# Allegro board 038RT-9068CJK8E-A100_0921_1.brd (continued)
## Routing (per net, layer and track width the routed paths; a pad name or vN(x,y) marks a point on that pad's centre or on a via; arc(x,y) is an arc through that point) (continued)
v2(457.06,226.06) v2(457.06,220.98) v2(457.06,215.9) v2(457.06,210.82) v2(457.06,205.74) v2(457.54,29.72) v2(457.54,27.5) v2(458.4,424.87) v2(459.13,36.19) v2(459.13,34.93) v2(459.43,445.33) v2(459.58,31.93) v2(459.58,31.17) v2(459.76,431.99) v2(459.78,430.58) v2(460.11,428.68) v2(460.37,425.74) v2(460.9,437.95) v2(461.45,429.56) v2(461.46,445.33) v2(462.14,287.02) v2(462.14,281.94) v2(462.14,276.86) v2(462.14,271.78) v2(462.14,266.7) v2(462.14,241.3) v2(462.14,236.22) v2(462.14,231.14) v2(462.14,226.06) v2(462.14,220.98) v2(462.14,215.9) v2(462.14,210.82) v2(462.14,205.74) v2(464.28,49.71) v2(467.22,287.02) v2(467.22,281.94) v2(467.22,276.86) v2(467.22,271.78) v2(467.22,266.7) v2(467.22,241.3) v2(467.22,236.22) v2(467.22,231.14) v2(467.22,226.06) v2(467.22,220.98) v2(467.22,215.9) v2(467.22,210.82) v2(467.22,205.74) v2(467.31,46.61) v2(467.3,30.84) v2(467.86,38.22) v2(468.39,50.43) v2(468.64,47.5) v2(468.97,45.59) v2(468.99,44.18) v2(469.17,445.01) v2(469.17,444.25) v2(469.33,30.84) v2(469.63,441.25) v2(469.63,439.98) v2(470.36,51.31) v2(471.21,448.68) v2(471.21,446.46) v2(471.68,47.5) v2(472.3,287.02) v2(472.3,281.94) v2(472.3,271.78) v2(472.3,266.7) v2(472.3,241.3) v2(472.3,236.22) v2(472.3,231.14) v2(472.3,226.06) v2(472.3,220.98) v2(472.45,48.63) v2(472.64,38.3) v2(473.78,38.3) v2(474.01,430.83) v2(474.51,36.57) v2(474.51,34.54) v2(476.8,44.59) v2(476.8,39.2) v2(477.38,287.02) v2(477.38,256.54) v2(477.38,241.3) v2(477.38,236.22) v2(477.38,231.14) v2(477.38,226.06) v2(477.38,220.98) v2(477.38,210.82) v2(477.38,205.74) v2(477.38,200.66) v2(478.27,44.59) v2(479.74,44.59) v2(480.72,439.29) v2(480.72,436.43) v2(480.72,435.67) v2(481.86,241.74) v2(482.14,430.83) v2(482.46,287.02) v2(482.46,281.94) v2(482.46,256.54) v2(482.46,236.22) v2(482.46,210.82) v2(482.46,205.74) v2(482.46,200.66) v2(482.9,430.83) v2(487.54,287.02) v2(487.54,281.94) v2(487.54,256.54) v2(487.54,236.22) v2(487.54,210.82) v2(490.2,56.41) v2(490.2,53.14) v2(490.87,241.74) v2(491.67,456.08) v2(492.48,241.74) v2(492.62,287.02) v2(492.62,281.94) v2(492.62,256.54) v2(492.62,236.22) v2(492.62,210.82) v2(492.97,41.53) v2(492.97,40.26) v2(492.97,31.37) v2(492.97,25.65) v2(494.24,41.53) v2(494.24,40.26) v2(494.24,31.37) v2(495.21,428.41) v2(495.51,41.53) v2(495.51,40.26) v2(495.51,31.37) v2(497.7,287.02) v2(497.7,281.94) v2(497.7,256.54) v2(497.7,236.22) v2(497.7,210.82) v2(498.05,41.53) v2(498.05,40.26) v2(498.05,31.37) v2(498.05,25.65) v2(499.32,41.53) v2(499.32,40.26) v2(499.32,31.37) v2(500.59,41.53) v2(500.59,40.26) v2(500.59,31.37) v2(500.96,442.95) v2(500.96,440.44) v2(501.49,241.74) v2(502.78,287.02) v2(502.78,281.94) v2(502.78,256.54) v2(502.78,236.22) v2(502.78,210.82) v2(503.05,241.74) v2(503.13,41.53) v2(503.13,40.26) v2(503.13,31.37) v2(503.13,25.65) v2(504.4,41.53) v2(504.4,40.26) v2(504.4,31.37) v2(505.67,41.53) v2(505.67,40.26) v2(505.67,31.37) v2(507.36,454.28) v2(507.36,453.01) v2(507.36,451.74) v2(507.36,449.2) v2(507.36,447.93) v2(507.36,446.66) v2(507.86,256.54) v2(507.86,236.22) v2(507.86,210.82) v2(508.11,53.97) v2(508.11,47.62) v2(508.21,41.53) v2(508.21,40.26) v2(508.21,31.37) v2(508.21,25.65) v2(508.38,444.37) v2(508.38,443.1) v2(508.38,441.83) v2(508.38,439.8) v2(508.38,438.53) v2(508.38,437.26) v2(508.63,454.28) v2(508.63,453.01) v2(508.63,451.74) v2(508.63,449.2) v2(508.63,447.93) v2(508.63,446.66) v2(509.38,53.97) v2(509.38,47.62) v2(509.48,41.53) v2(509.48,40.26) v2(509.48,31.37) v2(510.65,53.97) v2(510.65,47.62) v2(510.75,41.53) v2(510.75,40.26) v2(510.75,31.37) v2(512.06,241.74) v2(512.44,447.6) v2(512.44,438.71) v2(512.44,437.44) v2(512.44,428.55) v2(512.44,419.66) v2(512.44,418.39) v2(512.94,256.54) v2(512.94,251.46) v2(512.94,246.38) v2(512.94,236.22) v2(512.94,210.82) v2(513.29,57.4) v2(513.29,56.13) v2(513.29,47.24) v2(513.29,41.53) v2(513.29,40.26) v2(513.29,31.37) v2(513.29,25.65) v2(513.71,447.6) v2(513.71,438.71) v2(513.71,437.44) v2(513.71,428.55) v2(513.71,419.66) v2(513.71,418.39) v2(514.56,57.4) v2(514.56,56.13) v2(514.56,47.24) v2(514.56,41.53) v2(514.56,40.26) v2(514.56,31.37) v2(514.98,453.31) v2(514.98,447.6) v2(514.98,438.71) v2(514.98,437.44) v2(514.98,434.26) v2(514.98,428.55) v2(514.98,419.66) v2(514.98,418.39) v2(515.83,57.4) v2(515.83,56.13) v2(515.83,47.24) v2(515.83,41.53) v2(515.83,40.26) v2(515.83,31.37) v2(518.02,342.9) v2(518.02,337.82) v2(518.02,302.26) v2(518.02,297.18) v2(518.02,292.1) v2(518.02,287.02) v2(518.02,281.94) v2(518.02,256.54) v2(518.02,251.46) v2(518.02,246.38) v2(518.02,241.3) v2(518.02,236.22) v2(518.02,210.82) v2(518.02,205.74) v2(518.02,200.66) v2(518.02,195.58) v2(518.02,185.42) v2(518.16,447.6) v2(518.16,438.71) v2(518.16,437.44) v2(518.16,428.55) v2(518.16,419.66) v2(518.16,418.39) v2(518.37,57.4) v2(518.37,56.13) v2(518.37,47.24) v2(518.37,41.53) v2(518.37,40.26) v2(518.37,31.37) v2(518.37,25.65) v2(519.43,447.6) v2(519.43,438.71) v2(519.43,437.44) v2(519.43,428.55) v2(519.43,419.66) v2(519.43,418.39) v2(519.64,57.4) v2(519.64,56.13) v2(519.64,47.24) v2(519.64,41.53) v2(519.64,40.26) v2(519.64,31.37) v2(520.7,453.31) v2(520.7,447.6) v2(520.7,438.71) v2(520.7,437.44) v2(520.7,434.26) v2(520.7,428.55) v2(520.7,419.66) v2(520.7,418.39) v2(520.91,57.4) v2(520.91,56.13) v2(520.91,47.24) v2(520.91,41.53) v2(520.91,40.26) v2(520.91,31.37) v2(521.83,284.67) v2(523.1,342.9) v2(523.1,337.82) v2(523.1,302.26) v2(523.1,297.18) v2(523.1,292.1) v2(523.1,284.67) v2(523.1,256.54) v2(523.1,251.46) v2(523.1,246.38) v2(523.1,241.3) v2(523.1,236.22) v2(523.1,210.82) v2(523.1,205.74) v2(523.1,200.66) v2(523.1,195.58) v2(523.1,185.42) v2(525.09,447.57) v2(525.09,446.3) v2(525.09,445.03) v2(525.09,438.04) v2(525.09,436.77) v2(525.09,435.5) v2(528.18,342.9) v2(528.18,337.82) v2(528.18,302.26) v2(528.18,297.18) v2(528.18,292.1) v2(528.18,283.66) v2(528.18,281.94) v2(528.18,261.62) v2(528.18,256.54) v2(528.18,251.46) v2(528.18,246.38) v2(528.18,215.9) v2(528.18,210.82) v2(528.9,441.22) v2(531.99,283.66) v2(532.96,39.8) v2(533.26,342.9) v2(533.26,337.82) v2(533.26,302.26) v2(533.26,297.18) v2(533.26,292.1) v2(533.26,283.66) v2(533.26,281.94) v2(533.26,261.62) v2(533.26,256.54) v2(533.26,251.46) v2(533.26,246.38) v2(533.26,215.9) v2(533.26,210.82) v2(534.53,283.66) v2(535.8,283.66) v2(537.07,283.66) v2(538.34,342.9) v2(538.34,337.82) v2(538.34,302.26) v2(538.34,297.18) v2(538.34,292.1) v2(538.34,283.66) v2(538.34,281.94) v2(538.34,261.62) v2(538.34,256.54) v2(538.34,251.46) v2(538.34,246.38) v2(538.34,215.9) v2(538.34,210.82) v2(539.61,287.07) v2(539.61,283.66) v2(543.42,342.9) v2(543.42,337.82) v2(543.42,302.26) v2(543.42,297.18) v2(543.42,292.1) v2(543.42,283.66) v2(543.42,281.94) v2(543.42,276.86) v2(543.42,271.78) v2(543.42,266.7) v2(543.42,261.62) v2(543.42,256.54) v2(543.42,251.46) v2(543.42,246.38) v2(543.42,226.06) v2(543.42,220.98) v2(543.42,215.9) v2(543.42,210.82) v2(543.42,205.74) v2(543.42,200.66) v2(543.42,195.58) v2(543.42,190.5) v2(543.42,185.42) v2(544.69,283.66) v2(546.99,439.84) v2(548.5,302.26) v2(548.5,297.18) v2(548.5,292.1) v2(548.5,283.66) v2(548.5,281.94) v2(548.5,226.06) v2(548.5,220.98) v2(548.5,215.9) v2(549.02,439.84) v2(549.16,24.31) v2(549.77,283.66) v2(551.04,283.66) v2(551.05,439.84) v2(552.31,283.66) v2(552.97,30.03) v2(552.97,28.76) v2(552.97,27.49) v2(552.97,20.5) v2(552.97,19.23) v2(552.97,17.96) v2(553.17,439.73) v2(553.58,322.58) v2(553.58,317.5) v2(553.58,312.42) v2(553.58,302.26) v2(553.58,297.18) v2(553.58,292.1) v2(553.58,283.66) v2(553.58,281.94) v2(553.58,226.06) v2(553.58,220.98) v2(553.58,215.9) v2(554.07,441.95) v2(554.85,283.66) v2(556.12,287.07) v2(556.12,284.67) v2(557.89,53.13) v2(558.66,321.94) v2(558.66,312.42) v2(558.66,302.26) v2(558.66,297.18) v2(558.66,284.67) v2(558.66,226.06) v2(558.66,220.98) v2(558.66,160.02) v2(558.66,149.86) v2(559.29,232.92) v2(559.36,289.1) v2(559.93,321.94) v2(559.93,312.42) v2(559.93,160.02) v2(559.93,149.86) v2(560.57,447.44) v2(560.56,232.92) v2(561.2,321.94) v2(561.2,312.42) v2(561.2,160.02) v2(561.2,149.86) v2(562.64,425.3) v2(563.11,447.44) v2(563.74,302.26) v2(563.74,297.18) v2(565.01,312.42) v2(565.01,306.07) v2(565.01,160.02) v2(565.01,156.21) v2(565.01,149.86) v2(565.27,443.96) v2(565.27,441.92) v2(565.27,439.89) v2(565.64,321.94) v2(565.64,231.92) v2(566.28,312.42) v2(566.28,160.02) v2(566.28,149.86) v2(566.54,443.96) v2(566.54,441.92) v2(566.54,439.89) v2(566.91,321.94) v2(567.55,316.23) v2(567.55,312.42) v2(567.55,266.06) v2(567.55,262.89) v2(567.55,237.18) v2(567.55,206.07) v2(567.55,202.89) v2(567.55,177.18) v2(567.55,166.37) v2(567.55,160.02) v2(567.55,149.86) v2(567.81,443.96) v2(567.81,441.92) v2(567.81,439.89) v2(568.05,53.13) v2(568.19,452.51) v2(568.18,321.94) v2(568.82,302.26) v2(568.82,297.18) v2(569.45,253.37) v2(569.45,231.92) v2(569.45,193.37) v2(570.41,451.88) v2(570.72,231.92) v2(571.36,312.42) v2(571.36,160.02) v2(571.99,322.58) v2(571.99,321.31) v2(571.99,231.92) v2(571.99,150.5) v2(571.99,149.22) v2(572.63,312.42) v2(572.63,160.02) v2(573.26,322.58) v2(573.26,321.31) v2(573.26,231.92) v2(573.26,150.5) v2(573.26,149.22) v2(573.69,288.72) v2(573.69,228.72) v2(573.67,42.68) v2(573.67,37.6) v2(573.9,312.42) v2(573.9,302.26) v2(573.9,297.18) v2(573.9,160.02) v2(574.09,453.47) v2(574.09,448.39) v2(574.07,420.01) v2(574.53,231.92) v2(575.8,231.92) v2(577.07,235.33) v2(577.07,231.92) v2(577.34,39.18) v2(577.71,312.42) v2(577.71,160.02) v2(578.34,322.58) v2(578.34,321.31) v2(578.34,150.5) v2(578.34,149.22) v2(578.98,312.42) v2(578.98,302.26) v2(578.98,297.18) v2(578.98,160.02) v2(579.61,322.58) v2(579.61,321.31) v2(579.61,150.5) v2(579.61,149.22) v2(579.57,38.55) v2(579.95,51.17) v2(579.95,49.14) v2(579.95,47.11) v2(580.25,312.42) v2(580.25,160.02) v2(580.88,231.92) v2(581.22,51.17) v2(581.22,49.14) v2(581.22,47.11) v2(582.15,231.92) v2(582.49,51.17) v2(582.49,49.14) v2(582.49,47.11) v2(583.65,35.06) v2(583.65,33.79) v2(584.06,312.42) v2(584.06,306.07) v2(584.06,302.26) v2(584.06,297.18) v2(584.06,160.02) v2(584.23,420.01) v2(584.69,322.58) v2(584.69,321.31) v2(584.69,150.5) v2(584.69,149.22) v2(584.65,43.63) v2(585.33,312.42) v2(585.33,160.02) v2(585.41,35.06) v2(585.41,33.79) v2(585.51,51.17) v2(585.51,47.11) v2(585.66,28.75) v2(585.96,322.58) v2(585.96,321.31) v2(585.96,231.92) v2(585.96,150.5) v2(585.96,149.22) v2(586.6,312.42) v2(586.6,166.37) v2(586.6,160.02) v2(586.78,51.17) v2(586.78,47.11) v2(587.23,231.92) v2(587.19,43.63) v2(587.17,35.06) v2(587.17,33.79) v2(587.5,237.18) v2(587.5,177.18) v2(587.69,28.75) v2(588.05,51.17) v2(588.05,47.11) v2(588.5,231.92) v2(589.14,414.02) v2(589.14,408.94) v2(589.14,403.86) v2(589.14,398.78) v2(589.14,393.7) v2(589.14,388.62) v2(589.14,383.54) v2(589.14,378.46) v2(589.14,373.38) v2(589.14,368.3) v2(589.14,363.22) v2(589.14,302.26) v2(589.14,297.18) v2(589.14,104.14) v2(589.14,99.06) v2(589.14,93.98) v2(589.14,88.9) v2(589.14,83.82) v2(589.14,78.74) v2(589.14,73.66) v2(589.14,68.58) v2(589.14,63.5) v2(589.14,58.42) v2(589.72,28.75) v2(589.77,231.92) v2(590.41,312.42) v2(590.41,160.02) v2(591.04,322.58) v2(591.04,321.31) v2(591.04,231.92) v2(591.04,150.5) v2(591.04,149.22) v2(591.68,312.42) v2(591.68,160.02) v2(592.31,322.58) v2(592.31,321.31) v2(592.31,231.92) v2(592.31,150.5) v2(592.31,149.22) v2(592.85,16.24) v2(592.95,312.42) v2(592.95,160.02) v2(593.58,235.33) v2(593.58,232.92) v2(593.69,49.11) v2(594.22,434.34) v2(594.22,429.26) v2(594.22,424.18) v2(594.22,419.1) v2(594.22,414.02) v2(594.22,408.94) v2(594.22,403.86) v2(594.22,398.78) v2(594.22,393.7) v2(594.22,388.62) v2(594.22,383.54) v2(594.22,378.46) v2(594.22,373.38) v2(594.22,368.3) v2(594.22,363.22) v2(594.22,302.26) v2(594.22,297.18) v2(594.22,104.14) v2(594.22,99.06) v2(594.22,93.98) v2(594.22,88.9) v2(594.22,83.82) v2(594.22,78.74) v2(594.22,73.66) v2(594.22,68.58) v2(594.22,63.5) v2(594.22,58.42) v2(594.59,51.34) v2(595.93,46.83) v2(596.12,232.92) v2(596.76,312.42) v2(596.76,306.07) v2(596.76,160.02) v2(597.39,322.58) v2(597.39,321.31) v2(597.39,150.5) v2(597.39,149.22) v2(598.03,312.42) v2(598.03,160.02) v2(598.66,322.58) v2(598.66,321.31) v2(598.66,150.5) v2(598.66,149.22) v2(599.3,464.82) v2(599.3,459.74) v2(599.3,454.66) v2(599.3,449.58) v2(599.3,444.5) v2(599.3,439.42) v2(599.3,434.34) v2(599.3,429.26) v2(599.3,424.18) v2(599.3,419.1) v2(599.3,414.02) v2(599.3,408.94) v2(599.3,403.86) v2(599.3,398.78) v2(599.3,393.7) v2(599.3,388.62) v2(599.3,383.54) v2(599.3,378.46) v2(599.3,373.38) v2(599.3,368.3) v2(599.3,363.22) v2(599.3,312.42) v2(599.3,302.26) v2(599.3,297.18) v2(599.3,166.37) v2(599.3,160.02) v2(599.3,104.14) v2(599.3,99.06) v2(599.3,93.98) v2(599.3,88.9) v2(599.3,83.82) v2(599.3,78.74) v2(599.3,73.66) v2(599.3,68.58) v2(599.3,63.5) v2(599.3,58.42) v2(599.3,53.34) v2(599.3,48.26) v2(599.3,38.1) v2(599.3,33.02) v2(603.11,312.42) v2(603.11,306.07) v2(603.11,160.02) v2(603.74,322.58) v2(603.74,321.31) v2(603.74,150.5) v2(603.74,149.22) v2(604.17,294.33) v2(604.17,234.33) v2(604.38,464.82) v2(604.38,459.74) v2(604.38,454.66) v2(604.38,449.58) v2(604.38,444.5) v2(604.38,439.42) v2(604.38,434.34) v2(604.38,429.26) v2(604.38,424.18) v2(604.38,419.1) v2(604.38,403.86) v2(604.38,398.78) v2(604.38,393.7) v2(604.38,388.62) v2(604.38,383.54) v2(604.38,378.46) v2(604.38,373.38) v2(604.38,368.3) v2(604.38,363.22) v2(604.38,312.42) v2(604.38,302.26) v2(604.38,297.18) v2(604.38,160.02) v2(604.38,104.14) v2(604.38,99.06) v2(604.38,93.98) v2(604.38,88.9) v2(604.38,83.82) v2(604.38,78.74) v2(604.38,73.66) v2(604.38,68.58) v2(604.38,63.5) v2(604.38,58.42) v2(604.38,53.34) v2(604.38,48.26) v2(604.38,38.1) v2(604.38,33.02) v2(605.01,322.58) v2(605.01,321.31) v2(605.01,150.5) v2(605.01,149.22) v2(605.65,312.42) v2(605.65,166.37) v2(605.65,160.02) v2(609.46,464.82) v2(609.46,459.74) v2(609.46,454.66) v2(609.46,449.58) v2(609.46,444.5) v2(609.46,439.42) v2(609.46,434.34) v2(609.46,429.26) v2(609.46,424.18) v2(609.46,419.1) v2(609.46,414.02) v2(609.46,408.94) v2(609.46,403.86) v2(609.46,398.78) v2(609.46,393.7) v2(609.46,388.62) v2(609.46,383.54) v2(609.46,378.46) v2(609.46,373.38) v2(609.46,368.3) v2(609.46,363.22) v2(609.46,312.42) v2(609.46,302.26) v2(609.46,297.18) v2(609.46,166.37) v2(609.46,160.02) v2(609.46,104.14) v2(609.46,99.06) v2(609.46,93.98) v2(609.46,88.9) v2(609.46,83.82) v2(609.46,78.74) v2(609.46,73.66) v2(609.46,68.58) v2(609.46,63.5) v2(609.46,58.42) v2(609.46,53.34) v2(609.46,48.26) v2(609.46,43.18) v2(609.46,38.1) v2(609.46,33.02) v2(610.09,334.01) v2(610.09,322.58) v2(610.09,321.31) v2(610.09,150.5) v2(610.09,149.22) v2(610.09,142.24) v2(610.09,136.53) v2(610.73,344.17) v2(610.73,342.9) v2(610.73,312.42) v2(610.73,160.02) v2(610.73,127.64) v2(610.73,126.36) v2(611.36,334.01) v2(611.36,322.58) v2(611.36,321.31) v2(611.36,150.5) v2(611.36,149.22) v2(611.36,136.53) v2(612,344.17) v2(612,342.9) v2(612,327.66) v2(612,312.42) v2(612,306.07) v2(612,160.02) v2(612,127.64) v2(612,126.36) v2(612.63,334.01) v2(612.63,136.53) v2(614.54,464.82) v2(614.54,459.74) v2(614.54,454.66) v2(614.54,449.58) v2(614.54,444.5) v2(614.54,439.42) v2(614.54,434.34) v2(614.54,429.26) v2(614.54,424.18) v2(614.54,419.1) v2(614.54,414.02) v2(614.54,408.94) v2(614.54,403.86) v2(614.54,398.78) v2(614.54,393.7) v2(614.54,388.62) v2(614.54,383.54) v2(614.54,378.46) v2(614.54,373.38) v2(614.54,368.3) v2(614.54,363.22) v2(614.54,302.26) v2(614.54,297.18) v2(614.54,104.14) v2(614.54,99.06) v2(614.54,93.98) v2(614.54,88.9) v2(614.54,83.82) v2(614.54,78.74) v2(614.54,73.66) v2(614.54,68.58) v2(614.54,63.5) v2(614.54,58.42) v2(614.54,53.34) v2(614.54,48.26) v2(614.54,43.18) v2(614.54,38.1) v2(614.54,33.02) v2(615.81,334.01) v2(615.81,312.42) v2(615.81,166.37) v2(615.81,160.02) v2(615.81,142.24) v2(615.81,136.53) v2(616.44,344.17) v2(616.44,342.9) v2(616.44,322.58) v2(616.44,321.31) v2(616.44,150.5) v2(616.44,149.22) v2(616.44,127.64) v2(616.44,126.36) v2(617.08,334.01) v2(617.08,312.42) v2(617.08,160.02) v2(617.08,136.53) v2(617.71,344.17) v2(617.71,342.9) v2(617.71,322.58) v2(617.71,321.31) v2(617.71,150.5) v2(617.71,149.22) v2(617.71,127.64) v2(617.71,126.36) v2(618.35,334.01) v2(618.35,327.66) v2(618.35,312.42) v2(618.35,306.07) v2(618.35,160.02) v2(618.35,136.53) v2(618.98,292.99) v2(618.98,236.16) v2(618.98,232.99) v2(618.98,176.16) v2(619.62,464.82) v2(619.62,459.74) v2(619.62,454.66) v2(619.62,449.58) v2(619.62,444.5) v2(619.62,439.42) v2(619.62,434.34) v2(619.62,429.26) v2(619.62,424.18) v2(619.62,419.1) v2(619.62,414.02) v2(619.62,408.94) v2(619.62,403.86) v2(619.62,398.78) v2(619.62,393.7) v2(619.62,388.62) v2(619.62,383.54) v2(619.62,378.46) v2(619.62,373.38) v2(619.62,368.3) v2(619.62,363.22) v2(619.62,302.26) v2(619.62,297.18) v2(619.62,104.14) v2(619.62,99.06) v2(619.62,93.98) v2(619.62,88.9) v2(619.62,83.82) v2(619.62,78.74) v2(619.62,73.66) v2(619.62,68.58) v2(619.62,63.5) v2(619.62,58.42) v2(619.62,53.34) v2(619.62,48.26) v2(619.62,43.18) v2(619.62,38.1) v2(619.62,33.02) v2(619.62,27.94) v2(621.52,142.24) v2(621.52,136.53) v2(622.16,334.01) v2(622.16,312.42) v2(622.16,166.37) v2(622.16,160.02) v2(622.16,127.64) v2(622.16,126.36) v2(622.79,344.17) v2(622.79,342.9) v2(622.79,322.58) v2(622.79,321.31) v2(622.79,150.5) v2(622.79,149.22) v2(622.79,136.53) v2(623.43,334.01) v2(623.43,312.42) v2(623.43,269.88) v2(623.43,209.88) v2(623.43,160.02) v2(623.43,127.64) v2(623.43,126.36) v2(624.06,344.17) v2(624.06,342.9) v2(624.06,322.58) v2(624.06,321.31) v2(624.06,150.5) v2(624.06,149.22) v2(624.06,136.53) v2(624.7,464.82) v2(624.7,459.74) v2(624.7,454.66) v2(624.7,449.58) v2(624.7,444.5) v2(624.7,439.42) v2(624.7,434.34) v2(624.7,429.26) v2(624.7,424.18) v2(624.7,419.1) v2(624.7,414.02) v2(624.7,408.94) v2(624.7,403.86) v2(624.7,398.78) v2(624.7,393.7) v2(624.7,388.62) v2(624.7,383.54) v2(624.7,378.46) v2(624.7,373.38) v2(624.7,368.3) v2(624.7,363.22) v2(624.7,334.01) v2(624.7,327.66) v2(624.7,312.42) v2(624.7,306.07) v2(624.7,302.26) v2(624.7,297.18) v2(624.7,160.02) v2(624.7,99.06) v2(624.7,93.98) v2(624.7,88.9) v2(624.7,83.82) v2(624.7,78.74) v2(624.7,73.66) v2(624.7,68.58) v2(624.7,63.5) v2(624.7,58.42) v2(624.7,53.34) v2(624.7,48.26) v2(624.7,43.18) v2(624.7,38.1) v2(624.7,33.02) v2(624.7,27.94) v2(625.97,269.88) v2(625.97,209.88) v2(627.24,269.88) v2(627.24,209.88) v2(628.37,331.21) v2(628.37,311.67) v2(628.37,128.97) v2(628.37,109.43) v2(628.51,269.88) v2(628.51,209.88) v2(629.78,464.82) v2(629.78,459.74) v2(629.78,454.66) v2(629.78,449.58) v2(629.78,444.5) v2(629.78,439.42) v2(629.78,434.34) v2(629.78,429.26) v2(629.78,424.18) v2(629.78,419.1) v2(629.78,414.02) v2(629.78,408.94) v2(629.78,403.86) v2(629.78,398.78) v2(629.78,393.7) v2(629.78,388.62) v2(629.78,383.54) v2(629.78,297.18) v2(629.78,99.06) v2(629.78,93.98) v2(629.78,88.9) v2(629.78,83.82) v2(629.78,78.74) v2(629.78,73.66) v2(629.78,68.58) v2(629.78,63.5) v2(629.78,58.42) v2(629.78,53.34) v2(629.78,48.26) v2(629.78,43.18) v2(629.78,38.1) v2(629.78,33.02) v2(629.78,27.94) v2(634.86,464.82) v2(634.86,459.74) v2(634.86,454.66) v2(634.86,449.58) v2(634.86,444.5) v2(634.86,439.42) v2(634.86,434.34) v2(634.86,429.26) v2(634.86,424.18) v2(634.86,419.1) v2(634.86,414.02) v2(634.86,408.94) v2(634.86,403.86) v2(634.86,398.78) v2(634.86,393.7) v2(634.86,388.62) v2(634.86,383.54) v2(634.86,297.18) v2(634.86,251.46) v2(634.86,246.38) v2(634.86,241.3) v2(634.86,236.22) v2(634.86,99.06) v2(634.86,93.98) v2(634.86,88.9) v2(634.86,83.82) v2(634.86,78.74) v2(634.86,73.66) v2(634.86,68.58) v2(639.94,464.82) v2(639.94,459.74) v2(639.94,454.66) v2(639.94,449.58) v2(639.94,444.5) v2(639.94,439.42) v2(639.94,434.34) v2(639.94,429.26) v2(639.94,424.18) v2(639.94,419.1) v2(639.94,414.02) v2(639.94,408.94) v2(639.94,403.86) v2(639.94,398.78) v2(639.94,393.7) v2(639.94,388.62) v2(639.94,383.54) v2(639.94,297.18) v2(639.94,251.46) v2(639.94,246.38) v2(639.94,241.3) v2(639.94,236.22) v2(639.94,210.82) v2(639.94,205.74) v2(639.94,99.06) v2(639.94,93.98) v2(639.94,88.9) v2(639.94,83.82) v2(639.94,78.74) v2(639.94,73.66) v2(639.94,68.58) v2(643.23,262.52) v2(643.23,261.12) v2(643.23,257.88) v2(643.23,256.48) v2(643.23,202.52) v2(643.23,201.12) v2(643.23,197.88) v2(643.23,196.48) v2(645.02,464.82) v2(645.02,459.74) v2(645.02,454.66) v2(645.02,449.58) v2(645.02,444.5) v2(645.02,342.9) v2(645.02,337.82) v2(645.02,302.26) v2(645.02,297.18) v2(645.02,292.1) v2(645.02,287.02) v2(645.02,251.46) v2(645.02,246.38) v2(645.02,241.3) v2(645.02,236.22) v2(645.02,210.82) v2(645.02,205.74) v2(645.02,99.06) v2(645.02,93.98) v2(645.02,88.9) v2(645.02,83.82) v2(645.02,78.74) v2(645.02,73.66) v2(645.02,68.58) v2(645.02,63.5) v2(645.02,53.34) v2(645.02,48.26) v2(645.02,43.18) v2(647.83,390.19) v2(647.83,387.65) v2(647.83,385.11) v2(649.06,68.79) v2(649.06,66.25) v2(649.06,63.71) v2(649.84,170.9) v2(649.84,44.53) v2(649.92,165.34) v2(649.92,38.98) v2(650.1,485.14) v2(650.1,480.06) v2(650.1,474.98) v2(650.1,469.9) v2(650.1,464.82) v2(650.1,454.66) v2(650.1,449.58) v2(650.1,444.5) v2(650.1,368.3) v2(650.1,363.22) v2(650.1,358.14) v2(650.1,353.06) v2(650.1,347.98) v2(650.1,342.9) v2(650.1,337.82) v2(650.1,332.74) v2(650.1,327.66) v2(650.1,322.58) v2(650.1,302.26) v2(650.1,297.18) v2(650.1,292.1) v2(650.1,287.02) v2(650.1,261.62) v2(650.1,256.54) v2(650.1,251.46) v2(650.1,246.38) v2(650.1,241.3) v2(650.1,236.22) v2(650.1,210.82) v2(650.1,205.74) v2(650.1,200.66) v2(650.1,195.58) v2(650.1,190.5) v2(650.1,185.42) v2(650.37,390.19) v2(650.37,387.65) v2(650.37,385.11) v2(651.6,68.79) v2(651.6,66.25) v2(651.6,63.71) v2(652.8,165.9) v2(652.8,162.9) v2(652.8,39.53) v2(652.8,36.53) v2(652.91,390.19) v2(652.91,387.65) v2(652.91,385.11) v2(654.14,68.79) v2(654.14,66.25) v2(654.14,63.71) v2(655.18,485.14) v2(655.18,480.06) v2(655.18,474.98) v2(655.18,469.9) v2(655.18,464.82) v2(655.18,454.66) v2(655.18,449.58) v2(655.18,444.5) v2(655.18,368.3) v2(655.18,363.22) v2(655.18,358.14) v2(655.18,353.06) v2(655.18,347.98) v2(655.18,342.9) v2(655.18,337.82) v2(655.18,332.74) v2(655.18,327.66) v2(655.18,322.58) v2(655.18,317.5) v2(655.18,312.42) v2(655.18,307.34) v2(655.18,302.26) v2(655.18,297.18) v2(655.18,292.1) v2(655.18,287.02) v2(655.18,261.62) v2(655.18,256.54) v2(655.18,251.46) v2(655.18,246.38) v2(655.18,241.3) v2(655.18,236.22) v2(655.18,210.82) v2(655.18,205.74) v2(655.18,200.66) v2(655.18,195.58) v2(655.18,190.5) v2(655.18,185.42) v2(655.45,390.19) v2(655.45,387.65) v2(655.45,385.11) v2(656.68,68.79) v2(656.68,66.25) v2(656.68,63.71) v2(657.08,140.33) v2(657.55,170.9) v2(657.55,166.4) v2(657.55,163.4) v2(657.55,44.53) v2(657.55,40.03) v2(657.55,37.03) v2(657.99,390.19) v2(657.99,387.65) v2(657.99,385.11) v2(658.03,351.89) v2(658.03,350.39) v2(658.03,332.84) v2(658.03,331.34) v2(658.03,116.56) v2(658.03,115.06) v2(658.03,97.51) v2(658.03,96.01) v2(658.35,140.33) v2(659.22,68.79) v2(659.22,66.25) v2(659.22,63.71) v2(660.26,485.14) v2(660.26,368.3) v2(660.26,363.22) v2(660.32,354.89) v2(660.26,312.42) v2(660.26,307.34) v2(660.26,302.26) v2(660.26,297.18) v2(660.26,292.1) v2(660.26,287.02) v2(660.26,261.62) v2(660.26,256.54) v2(660.26,251.46) v2(660.26,246.38) v2(660.26,241.3) v2(660.26,236.22) v2(660.26,210.82) v2(660.26,205.74) v2(660.26,200.66) v2(660.26,195.58) v2(660.26,190.5) v2(660.26,185.42) v2(660.26,144.28) v2(660.32,119.56) v2(660.53,390.19) v2(660.53,387.65) v2(660.53,385.11) v2(661.34,21.91) v2(661.34,20.64) v2(661.76,68.79) v2(661.76,66.25) v2(661.76,63.71) v2(663.07,390.19) v2(663.07,387.65) v2(663.07,385.11) v2(663.28,351.89) v2(663.28,347.39) v2(663.28,332.84) v2(663.28,328.34) v2(663.28,116.56) v2(663.28,112.06) v2(663.28,97.51) v2(663.28,93.01) v2(664.3,68.79) v2(664.3,66.25) v2(664.3,63.71) v2(664.7,17.65) v2(665.34,485.14) v2(665.34,368.3) v2(665.34,363.22) v2(665.34,312.42) v2(665.34,307.34) v2(665.34,302.26) v2(665.34,297.18) v2(665.34,292.1) v2(665.34,287.02) v2(665.34,261.62) v2(665.34,256.54) v2(665.34,251.46) v2(665.34,246.38) v2(665.34,241.3) v2(665.34,236.22) v2(665.34,210.82) v2(665.34,205.74) v2(665.34,200.66) v2(665.34,195.58) v2(665.34,190.5) v2(665.34,185.42) v2(665.97,21.33) v2(665.97,20.33) v2(666.89,351.2) v2(666.89,349.71) v2(666.89,332.15) v2(666.89,330.66) v2(666.89,115.87) v2(666.89,114.37) v2(666.89,96.82) v2(666.89,95.32) v2(667.24,21.33) v2(667.24,20.33) v2(667.8,68.69) v2(667.8,67.69) v2(668.03,355.39) v2(668.03,352.39) v2(668.03,347.39) v2(668.03,333.34) v2(668.03,328.34) v2(668.03,325.34) v2(668.03,120.06) v2(668.03,117.06) v2(668.03,112.06) v2(668.03,98.01) v2(668.03,93.01) v2(668.03,90.01) v2(668.51,197.86) v2(668.51,196.86) v2(668.51,169.6) v2(668.51,168.6) v2(668.51,165.47) v2(668.51,164.47) v2(668.51,142.3) v2(668.51,141.3) v2(668.51,43.24) v2(668.51,42.24) v2(668.51,39.11) v2(668.51,38.11) v2(668.51,21.33) v2(668.51,20.33) v2(668.83,362.52) v2(668.83,318.71) v2(668.83,127.19) v2(668.83,83.38) v2(669.78,197.86) v2(669.78,196.86) v2(669.78,169.6) v2(669.78,168.6) v2(669.78,165.47) v2(669.78,164.47) v2(669.78,142.3) v2(669.78,141.3) v2(669.78,71.49) v2(669.78,70.49) v2(669.78,43.24) v2(669.78,42.24) v2(669.78,39.11) v2(669.78,38.11) v2(670.1,362.52) v2(670.1,318.71) v2(670.1,127.19) v2(670.1,83.38) v2(670.42,485.14) v2(670.42,368.3) v2(670.99,355.89) v2(670.99,350.89) v2(670.99,347.89) v2(670.99,331.84) v2(670.99,328.84) v2(670.99,325.84) v2(670.99,120.56) v2(670.99,115.56) v2(670.99,112.56) v2(670.99,96.51) v2(670.99,93.51) v2(670.99,90.51) v2(671.05,169.6) v2(671.05,168.6) v2(671.05,142.3) v2(671.05,141.3) v2(671.05,43.24) v2(671.05,42.24) v2(672.13,353.57) v2(672.13,352.08) v2(672.13,334.52) v2(672.13,333.03) v2(672.13,118.24) v2(672.13,116.75) v2(672.13,99.19) v2(672.13,97.7) v2(673.27,355.89) v2(673.27,354.39) v2(673.27,120.56) v2(673.27,119.06) v2(675.5,485.14) v2(675.5,480.06) v2(675.5,368.3) v2(680.58,485.14)
